# Altium PCB PCB-MB202-00.PcbDoc (part 2 of 7)
Units mm, origin at the board's own origin, x right, y up, seen from the top; angles counter-clockwise.
Board outline 300.6 x 146 mm, 2 copper layers (Top Layer, Bottom Layer); 493 components, 371 nets, 1609 pads, 6249 vias.
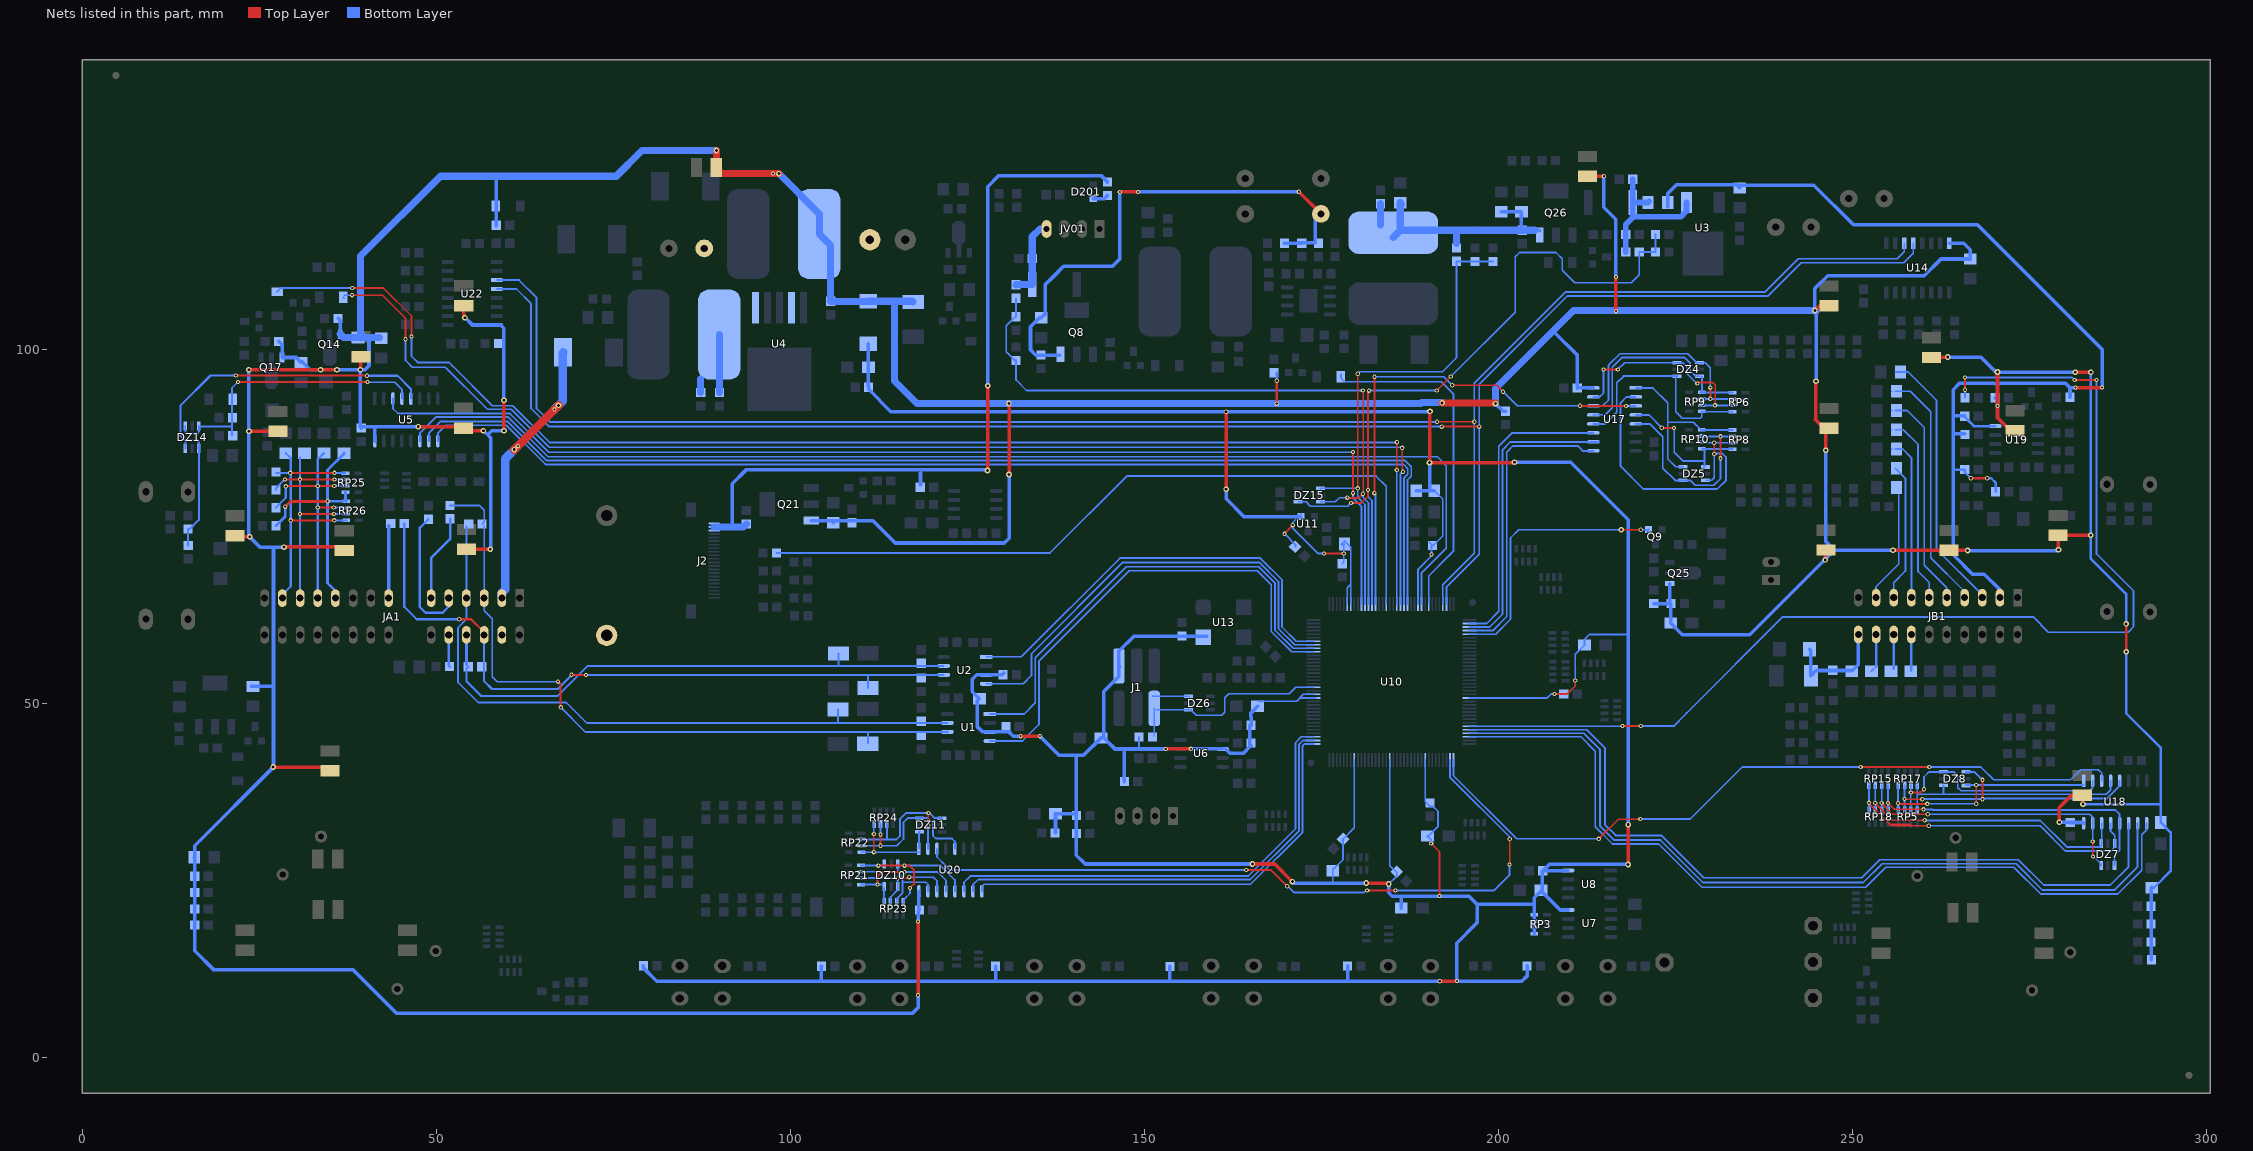
[diagram p2: the nets of this part, all layers, seen from the top]

## Via types
v1: diameter 0.6, hole 0.3, Top Layer to Bottom Layer, 5795 vias
v2: diameter 0.8, hole 0.4, Top Layer to Bottom Layer, 342 vias
v3: diameter 0.6, hole 0.4, Top Layer to Bottom Layer, 92 vias
v4: diameter 0.6, hole 0.3, Top Layer to Bottom Layer, tented both sides, 20 vias

## Nets (pads, with @x,y where several pads share a name; then routed paths per layer and width w, separated by ;. In a path a pad name is that pad's centre, name@x,y a point inside that pad or via, vN(x,y) a via of type N, cw(c..) or ccw(c..) an arc to the next point about the centre after c; other vN are vias at no path point) (continued)
+5V: C16.2 C69.2 C70.2 C71.2 C72.2 C94.2 C109.2 CE1.1 CE2.1 CE4.1 CE5.1 CP7.1 CP10.1 CP26.1 D6.1 D43.2 DL1.1 DL2.1 DL3.1 DL4.1 DL5.1 DL6.1 DL7.1 DL16.1 DL17.1 DL18.1 DL19.1 DL20.1 DL21.1 DL22.1 DL23.1 DL24.1 DL25.1 DL26.1 L2.2 L3.1 Q14.3 Q17.3 Q21.3 Q25.3 R18.2 R49.1 R57.1 R69.2 R81.1 R86.1 R93.2 R115.1 R130.1 R132.1 R133.1 R134.1 RL1.1 RL2.1 RL3.1 RL4.1 RL5.1 RL6.1 RL7.1 RL8.1 U4.4 U5.16 U14.16 U17.16 U18.16 U20.16 U22.16 | length 1006.7
  Top Layer w0.35: v1(168.72,92.397) v1@168.72,95.656 ; v2@288.659,57.353 288.684,57.379 v2(288.684,61.29) v2@288.684,61.316
  Top Layer w0.5: DL23.1@21.578,74.01 22.003,73.584 v2@23.703,73.584 ; v2(23.559,97.18) v2(33.693,97.18) v2(36.005,97.18) ; v2(23.584,88.494) 23.61,88.494 23.616,88.488 DL20.1@27.648,88.488 ; v2(26.988,41.072) 34.5,41.072 DL24.1@35.04,40.532 ; v2(28.512,72.136) 28.486,72.161 36.608,72.161 DL22.1@37.021,71.749 ; v2@39.332,97.257 DL21.1@39.332,99.003 ; v2(47.486,89.154) 53.906,89.154 54.515,88.544 v2@56.68,88.544 ; DL17.1@53.912,106.242 53.912,104.673 v2(54.064,104.521) ; DL18.1@54.369,71.825 v2(57.652,71.825) ; v2(59.586,88.57) v2(59.586,92.873) ; v1@118.072,8.814 v1(118.072,19.253) ; v2(130.899,92.431) 130.925,92.456 v2(130.925,82.398) ; DL26.1@212.3,124.841 DL26.1@212.636,124.505 214.916,124.505 v1(214.922,124.511) ; v1(216.624,110.287) 216.624,105.486 v1(216.65,105.461) ; v2(244.733,105.546) 245.403,106.217 DL16.1@246.698,106.217 ; v2@244.882,95.529 244.882,90.183 244.818,90.119 246.018,88.919 DL7.1@246.749,88.919 ; v2(246.19,70.333) 246.19,71.571 DL6.1@246.342,71.724 ; v2(246.266,85.827) 246.266,88.437 DL7.1@246.749,88.919 ; DL7.1@246.489,88.996 DL7.1@246.672,88.996 ; DL7.1@246.901,88.767 DL7.1@246.749,88.919 ; v2(255.766,71.704) 266.256,71.704 v2(266.307,71.653) ; DL4.1@261.074,98.927 DL4.1@261.106,98.958 ; DL4.1@261.227,98.958 v2@263.487,98.958 ; v2@270.523,96.799 v1(270.523,92.05) 270.523,90.424 272.358,88.589 DL3.1@273.012,88.589 ; DL2.1@279.057,73.806 v2(283.68,73.806) ; v2(279.134,71.755) DL2.1@279.134,73.883 ; v2(279.261,33.274) 279.261,35.357 280.982,37.078 DL1.1@282.486,37.078 282.588,36.976 v2(282.588,35.839) ; v2@281.547,96.825 v2(283.706,96.825)
  Top Layer w1: v2@89.579,128.118 DL25.1@89.579,125.73 90.392,124.917 v2@98.413,124.917 ; v2(192.088,92.507) v2@199.632,92.507
  Bottom Layer w0.35: v1(168.72,95.631) R130.1@168.72,96.749 ; v2@282.563,35.839 v2(282.588,35.839) 293.586,35.839 ; v2@283.852,96.774 283.68,96.602 v2(283.68,73.806) 283.68,70.536 288.684,65.532 v2(288.684,61.29) v2@288.684,61.265 ; v2@288.659,57.353 288.684,57.328 288.684,48.666 293.586,43.764 293.586,35.839 ; CE5.1@292.316,24.028 292.621,24.028 294.983,26.391 294.983,31.852 CP26.1@293.586,33.249 293.586,35.839
  Bottom Layer w0.5: CE2.1@15.863,28.346 CE2.1@15.919,28.29 ; v2(23.559,97.18) 23.559,73.711 25.134,72.136 27.242,72.136 ; R18.2@23.895,52.502 26.988,52.502 ; R57.1@27.775,101.194 28.253,100.716 Q17.3@28.253,98.915 30.231,98.915 R132.1@30.841,98.306 ; v2(28.512,72.136) 27.064,72.136 27.039,72.111 27.039,41.072 15.919,29.952 CE2.1@15.919,28.29 ; R132.1@30.925,98.222 R132.1@30.841,98.306 ; v2(33.693,97.18) 32.246,97.18 31.12,98.306 R132.1@30.841,98.306 ; v2(36.005,97.18) v2(39.307,97.18) ; R81.1@36.157,104.445 36.465,104.137 Q14.3@36.465,102.21 36.465,102.029 36.767,101.727 36.947,101.727 ; C69.2@39.434,88.946 39.307,89.073 v2(39.307,97.18) ; C69.2@39.485,89.159 39.49,89.154 41.39,89.154 ; 41.009,101.727 40.526,101.244 40.526,97.739 39.967,97.18 v2(39.307,97.18) ; U5.16@41.364,87.116 41.364,89.129 41.39,89.154 ; v2(47.486,89.154) 41.39,89.154 ; v2(54.064,104.521) 54.115,104.521 55.131,103.505 U22.16@58.581,103.505 59.119,103.505 59.576,103.048 59.576,93.548 59.576,92.862 v2(59.586,92.873) ; v2@56.68,88.595 57.29,87.986 ; v2(57.652,71.825) 57.747,71.921 57.747,87.528 57.29,87.986 ; R69.2@58.489,117.5 58.489,124.506 ; v2(59.586,88.57) 57.874,88.57 57.29,87.986 ; 75.019,6.274 74.232,6.274 ; Q21.3@102.985,75.893 R133.1@106.086,75.893 ; R133.1@106.109,75.59 106.388,75.87 111.697,75.87 114.846,72.72 130.264,72.72 130.925,73.381 v2(130.925,82.398) ; v1(118.072,19.253) 118.072,20.721 C72.2@118.255,20.904 118.199,20.96 U20.16@118.199,23.54 ; v1@118.098,8.865 118.098,7.112 117.259,6.274 74.232,6.274 ; v2(199.632,92.405) 200.698,91.338 R49.1@201.054,91.338 ; 207.594,102.502 207.925,102.502 211.158,99.268 C70.2@211.158,94.59 211.185,94.616 U17.16@213.445,94.616 ; v1(214.922,124.511) 214.922,120.142 216.624,118.44 216.624,112.268 ; v1(216.624,110.287) 216.624,112.268 ; 216.624,111.76 216.624,112.268 ; R115.1@221.984,64.16 C94.2@224.376,64.16 ; C94.2@224.219,64.369 Q25.3@224.219,66.98 ; C94.2@224.402,64.186 224.371,64.155 CP10.1@224.371,61.417 226.022,59.766 235.547,59.766 247.485,71.704 ; v2(244.733,105.546) 244.733,108.652 246.545,110.465 260.185,110.465 262.547,112.827 CE1.1@266.688,112.827 ; v2(244.894,95.555) v2@244.894,105.385 ; v2(246.266,85.827) 246.291,85.801 246.291,72.898 247.485,71.704 ; v2(255.766,71.704) 247.485,71.704 ; v2(263.487,98.984) 268.161,98.984 270.32,96.825 v2(281.496,96.825) v2@281.547,96.825 ; U14.16@263.69,115.057 265.753,115.057 266.688,114.122 CE1.1@266.688,112.827 ; v2(266.307,71.653) 279.032,71.653 v2(279.134,71.755) ; CE1.1@266.688,112.725 CE1.1@266.688,112.827 ; R93.2@270.172,93.243 270.523,92.893 v1(270.523,92.05) ; v2(279.261,33.274) 280.754,33.274 C71.2@280.785,33.244 282.59,33.244 U18.16@282.689,33.144 ; RL1.1@292.265,13.868 292.265,21.405 292.265,24.028 CE5.1@292.316,24.079 ; CE2.1@15.919,28.29 15.919,27.254 RL7.1@15.919,25.662 RL8.1@15.919,23.342 RL5.1@15.919,21.042 RL6.1@15.919,18.752 15.919,15.133 18.631,12.421 38.313,12.421 44.46,6.274 74.232,6.274
  Bottom Layer w1: Q14.3@36.465,102.21 36.947,101.727 39.18,101.727 41.009,101.727 CE4.1@41.999,101.727 ; R86.1@39.332,101.702 39.332,113.233 50.61,124.511 75.451,124.511 79.083,128.143 v2(89.579,128.143) ; v1@97.625,124.917 98.387,124.917 v2(98.413,124.892) 104.12,119.184 L2.2@104.12,116.357 105.728,114.75 C16.2@105.728,106.853 111.029,106.853 L3.1@111.036,106.861 114.719,106.861 ; D6.1@117.382,106.738 117.259,106.861 114.719,106.861 ; v2@192.139,92.532 189.201,92.532 189.065,92.397 168.161,92.397 117.928,92.397 114.719,95.606 114.719,106.861 ; v2(199.632,92.405) 199.632,94.539 206.883,101.79 ; 206.528,101.435 206.883,101.79 ; v2@244.894,105.385 v2(244.733,105.546) 210.639,105.546 207.594,102.502 206.883,101.79
  other v1: 118.072,8.839 97.6,124.917
  other v2: 288.709,57.353 23.686,73.609 56.68,88.57 270.523,96.876
+5V-VT: J2.20 J2.21 J2.22 L21.2 L201.1 L205.1 | length 108.4
  Top Layer w0.5: v2@127.902,82.982 v2(127.902,94.92)
  Bottom Layer w0.5: 91.809,74.983 91.809,81.077 93.764,83.033 127.699,83.033 v2@127.826,82.906 ; L205.1@118.413,80.975 118.413,82.586 ; v2(127.902,94.92) 127.902,123.038 129.477,124.612 143.904,124.612 L201.1@144.818,123.698
  Bottom Layer w1: J2.21@89.264,74.983 91.809,74.983 ; 92.878,74.983 91.809,74.983 ; L21.2@93.815,75.392 93.406,74.983 91.809,74.983
  other v2: 127.885,82.965
+5VM: C10.1 C12.1 C15.1 C17.1 C21.2 C25.1 C36.1 C37.1 C39.2 C56.1 C57.1 C62.1 C80.1 CP2.1 CP3.1 CP4.1 CP6.1 CP11.1 CP12.1 CP16.1 CP17.1 CP18.1 CP22.1 CP23.1 CP24.1 CP25.1 J1.4 L3.2 L5.2 R11.1 R15.1 R23.2 R31.2 R33.2 R42.2 R43.2 R56.1 R58.1 R73.2 R142.2 RP3.5 RP3.6 RP3.7 RP3.8 U1.3 U2.3 U6.2 U7.8 U8.8 U10.9 U10.19 U10.29 U10.50 U10.51 U10.78 U10.79 U10.98 U10.131 U11.1 U13.4 | length 720.8
  Top Layer w0.25: v1@169.837,74.092 v1(170.98,75.235) ; v1(175.4,71.247) v1@178.194,71.247 ; v1(190.538,30.277) 191.707,29.108 v1(191.707,22.847) ; v4@190.547,71.053 v4(190.587,71.093) ; v1(207.963,51.41) 209.766,51.41 210.884,52.527 v1(210.884,53.289)
  Top Layer w0.5: v1(132.525,45.441) v1(135.293,45.441) ; v1(153.048,43.612) 153.08,43.643 v4(156.597,43.643) ; v2(161.582,80.315) v3(161.582,91.262) ; v2(165.291,27.381) 168.44,27.381 v2(170.93,24.892) ; v2(181.369,24.689) 184.417,24.689 v2(184.544,24.562) ; v2@190.335,84.074 v2@202.299,84.074 ; v2@190.361,84.099 v2@190.361,91.262 ; v1(191.758,10.82) 194.145,10.82 v1(194.171,10.846) ; v2@218.377,27.381 v2(218.377,32.944)
  Bottom Layer w0.25: 149.217,43.653 149.267,43.703 R58.1@149.267,45.313 ; CP12.1@166.277,50.343 166.287,50.353 171.517,50.353 171.537,50.373 ; v1(169.837,74.016) 171.364,72.489 R142.2@171.364,72.21 ; 171.527,50.383 172.487,51.343 U10.51@173.937,51.343 ; U11.1@171.819,76.454 170.98,75.616 v1(170.98,75.235) 170.98,74.778 174.511,71.247 v1(175.4,71.247) ; U11.1@171.984,76.619 U11.1@172.2,76.835 ; 172.007,50.843 U10.50@173.937,50.843 U10.50@174.297,50.843 ; 176.645,24.765 176.645,26.543 178.09,27.988 C21.2@178.09,30.884 ; C21.2@177.937,30.731 C21.2@178.09,30.884 ; C36.1@177.965,69.799 178.194,70.028 v1(178.194,71.222) 178.194,72.492 CP16.1@178.296,72.593 ; C21.2@178.09,30.909 C21.2@178.09,30.884 ; 178.194,71.603 178.194,72.339 178.016,72.517 177.838,72.517 178.321,73 179.187,72.134 179.187,66.904 ; 178.687,65.128 U10.78@178.687,64.093 178.687,66.404 179.187,66.904 ; U10.79@179.187,65.034 U10.79@179.187,64.093 179.187,66.904 ; U10.29@179.687,42.093 179.687,32.481 C21.2@178.09,30.884 ; v2(184.544,24.562) 185.662,25.679 185.662,26.187 184.687,27.162 U10.19@184.687,42.093 ; U10.98@188.687,64.093 188.687,68.993 190.587,70.893 v4(190.587,71.093) 190.587,72.513 C12.1@190.307,72.793 ; CP3.1@188.837,80.133 CP25.1@190.974,80.133 ; 189.687,37.377 189.687,37.846 ; U10.9@189.687,42.093 189.687,37.846 ; CP17.1@190.03,31.191 190.03,31.242 191.511,32.722 191.511,34.798 190.774,35.535 190.361,35.535 189.687,36.208 189.687,37.846 ; CP17.1@190.03,31.344 190.564,30.81 190.564,30.251 v1(190.538,30.277) ; C12.1@190.727,72.363 190.842,72.363 192.18,73.701 192.18,78.927 CP25.1@191.008,80.099 ; U10.131@195.937,50.843 206.914,50.843 207.455,51.384 C56.1@209.258,51.384 ; v1(210.884,53.289) 210.884,56.998 CP22.1@212.205,58.318 212.205,59.131 212.865,59.792 218.377,59.792
  Bottom Layer w0.5: R11.1@79.286,13.005 79.286,12.7 81.166,10.82 129.02,10.82 ; 104.382,10.922 R15.1@104.382,12.929 ; R15.1@104.382,12.954 R15.1@104.382,12.929 ; R15.1@104.432,12.929 R15.1@104.382,12.929 ; L3.2@111.036,100.861 111.036,94.767 C15.1@111.087,94.717 111.087,94.412 114.237,91.262 v3(161.582,91.262) v2@190.31,91.262 ; R56.1@129.02,12.954 129.02,10.82 ; C62.1@130.193,54.356 129.935,54.098 U2.3@127.689,54.098 126.349,54.098 125.743,53.492 125.743,51.689 CP18.1@126.734,50.698 126.403,50.368 126.403,46.812 127.185,46.031 U1.3@128.211,46.031 130.918,46.031 131.509,45.441 v1(132.525,45.441) ; v1(135.293,45.441) 137.96,42.774 140.45,42.774 ; C10.1@137.478,31.826 CP24.1@137.478,34.493 L5.2@140.201,34.493 ; CP23.1@143.904,45.187 141.491,42.774 140.45,42.774 ; J1.4@146.517,55.273 146.497,55.253 J1.4@146.437,55.253 ; R23.2@147.211,39.014 147.211,43.593 ; v1(153.048,43.612) 153.036,43.623 145.877,43.623 144.31,45.19 144.31,51.74 146.437,53.866 J1.4@146.437,55.253 ; 153.637,10.942 R73.2@153.637,12.903 ; v4@156.609,43.631 U6.2@161.097,43.631 ; U13.4@158.817,59.573 C57.1@155.359,59.573 148.588,59.573 146.437,57.422 J1.4@146.437,55.353 J1.4@146.437,55.253 ; 159.449,10.82 158.788,10.82 ; U6.2@161.529,43.631 162.117,43.043 164.037,43.043 R33.2@164.934,43.94 ; v2(161.582,80.315) 161.582,78.943 164.072,76.454 171.819,76.454 U11.1@172.149,76.454 ; C25.1@164.934,46.963 R33.2@164.934,43.94 ; C25.1@165.087,46.963 C25.1@165.087,46.983 ; C25.1@165.097,46.983 165.097,48.173 165.087,48.183 165.087,48.713 CP12.1@166.017,49.643 ; R33.2@165.108,44.115 R33.2@164.934,43.94 ; v2(165.291,27.381) 141.669,27.381 140.424,28.626 140.424,34.493 140.424,42.748 140.45,42.774 ; v2(170.93,24.892) 170.904,24.892 171.107,24.689 v2(181.369,24.689) ; 178.732,10.851 R42.2@178.732,12.979 ; v2(184.544,24.562) 184.544,23.33 185.027,22.847 195.885,22.847 197.015,21.717 ; CP11.1@186.297,21.158 186.297,22.797 ; CP3.1@188.417,80.103 188.409,80.112 190.97,80.112 CP25.1@190.996,80.086 ; CP25.1@190.361,80.32 v2@190.361,84.074 ; v1(191.758,10.82) 158.788,10.82 ; v2(202.299,84.125) 210.249,84.125 218.377,75.997 218.377,59.792 v2@218.377,33.045 ; R31.2@204.082,12.979 204.082,11.562 203.34,10.82 194.298,10.82 194.145,10.973 194.145,16.205 197.015,19.075 197.015,21.717 ; RP3.5@205.102,17.525 RP3.6@205.102,18.425 RP3.7@205.102,19.325 RP3.8@205.102,20.225 205.102,21.717 ; C80.1@206.292,26.435 C80.1@206.312,26.435 ; U8.8@209.842,26.435 207.902,26.435 C80.1@206.312,26.435 ; U7.8@209.912,20.885 208.762,20.885 CP6.1@206.072,23.575 ; v2@218.377,27.28 v2(218.351,27.305) 218.285,27.371 207.248,27.371 C80.1@206.312,26.435 ; 129.02,10.82 158.788,10.82 ; 197.015,21.717 205.102,21.717 ; 205.102,21.717 205.102,22.605 CP6.1@206.072,23.575 ; CP6.1@206.072,23.575 206.242,23.745 206.242,26.365 C80.1@206.292,26.415 C80.1@206.312,26.435
  other v2: 190.31,84.074 190.361,91.313
+5VV: D201.2 L201.2 | length 2.2
  Bottom Layer w0.5: D201.2@142.812,121.361 144.382,121.361 L201.2@144.818,121.798
+12V: C32.2 C51.2 C84.2 CP303.1 L302.2 Q8.3 Q26.3 R62.1 R102.2 R160.2 R163.2 R169.1 R171.2 R176.2 R194.1 TP62.1 | length 110.8
  Top Layer w0.5: v1(146.571,122.276) 146.596,122.301 v1(149.117,122.301) ; v1(171.847,122.323) CP303.1@174.968,119.202
  Bottom Layer w0.5: 137.452,110.617 137.262,110.426 ; Q8.3@138.054,99.258 R171.2@135.42,99.258 134.714,99.258 133.947,100.025 133.947,103.251 135.217,104.521 R169.1@135.471,104.521 136.005,105.054 136.005,109.169 137.262,110.426 ; v1(146.571,122.276) 146.571,112.827 145.53,111.785 138.621,111.785 137.262,110.426 ; v1(149.117,122.301) 149.14,122.323 v1(171.847,122.323) ; C51.2@169.812,115.057 172.245,115.057 R194.1@172.25,115.062 ; R194.1@171.775,115.144 174.161,115.144 174.181,115.164 174.181,118.466 CP303.1@174.968,119.253 ; 193.688,116.886 194.12,116.886 ; R176.2@200.419,119.501 203.268,119.501 203.268,117.008 R102.2@203.391,116.886 ; Q26.3@205.809,116.886 Q26.3@205.884,116.811
  Bottom Layer w1: L302.2@183.376,117.645 C84.2@183.376,120.63 ; L302.2@185.179,115.842 L302.2@186.17,116.832 ; C32.2@186.341,120.599 C32.2@186.17,120.771 L302.2@186.17,116.832 ; R160.2@194.12,115.006 194.12,116.784 ; 205.226,116.886 R102.2@203.391,116.886 201.283,116.886 TP62.1@197.015,116.886 193.688,116.886 186.223,116.886 L302.2@186.17,116.832
+12V-1: C23.1 JV01.4 R25.2 R27.2 | length 12.4
  Bottom Layer w1: R27.2@131.89,109.19 131.92,109.22 R25.2@134.201,109.22 134.201,116.002 135.272,117.072 JV01.4@136.224,117.072 135.399,117.072
+12V-2: C87.2 JB1.3 R98.1 R99.2 R107.1 R137.1 R177.2 R178.2 U19.8 | length 154.1
  Top Layer w0.35: v1(266.738,81.864) v1(269.075,81.864)
  Top Layer w0.5: v1@281.674,94.666 284.747,94.666 v1(285.28,94.666)
  Bottom Layer w0.35: 264.275,83.085 R99.2@265.899,83.085 265.899,82.703 v1(266.738,81.864) ; C87.2@265.931,90.729 265.931,90.495 267.069,89.357 ; C87.2@266.383,90.043 267.069,89.357 ; v1(269.075,81.864) 269.634,81.864 270.244,81.255 R137.1@270.244,79.959 ; 269.279,89.235 U19.8@270.209,89.235 ; U19.8@270.179,89.205 U19.8@270.209,89.235 ; R98.1@280.759,93.315 R98.1@280.759,93.624 ; 267.069,89.357 267.191,89.235 U19.8@270.209,89.235
  Bottom Layer w0.5: R177.2@223.971,120.212 R177.2@223.971,120.802 223.971,122.078 225.184,123.292 233.699,123.292 R178.2@234.125,122.866 ; R178.2@233.724,123.266 244.59,123.266 250.191,117.665 267.692,117.665 285.318,100.038 285.318,94.704 v1(285.28,94.666) ; C87.2@265.905,90.678 264.275,90.678 264.249,90.703 ; R107.1@265.919,88.145 264.249,88.145 ; JB1.3@270.868,64.999 270.868,66.102 268.643,68.326 266.992,68.326 264.249,71.069 264.249,88.145 ; R98.1@280.759,93.315 280.759,94.666 ; v1(281.521,94.666) 280.759,94.666 ; 264.249,88.145 264.249,90.703 ; 264.249,90.703 264.249,94.386 265.113,95.25 270.114,95.25 270.125,95.239 270.87,95.239 270.881,95.25 280.175,95.25 280.759,94.666
+12V-V: C54.1 C99.2 R22.2 R104.2 R177.1 U3.1 | length 22.3
  Bottom Layer w0.8: R104.2@218.029,113.805 C54.1@218.029,116.283 218.029,117.711 219.012,118.694 219.012,118.796 ; C99.2@219.007,124.104 219.012,124.099 R22.2@219.012,120.802 ; R177.1@221.349,120.98 R177.1@221.171,120.802 R22.2@219.012,120.802 ; U3.1@226.606,120.802 226.606,119.583 225.819,118.796 219.012,118.796 ; 219.012,118.796 R22.2@219.012,120.802
+B: D7.1 D10.1 JA1.3 JA1.4 | length 39.7
  Top Layer w1.2: v2(61.049,85.903) v2(67.298,92.151)
  Bottom Layer w1.2: JA1.3@59.286,64.937 59.286,65.674 59.761,66.149 59.761,84.614 v1@61.43,86.284 ; v1@66.675,91.529 67.907,92.761 67.907,99.619 D7.1@67.933,99.644
  other v1: 61.543,86.397 66.713,91.592
+B1: C13.2 C105.2 CP5.1 L1.2 U4.1 | length 10.1
  Bottom Layer w1: C13.2@87.364,93.975 87.364,95.885 ; L1.2@89.998,102.159 90.031,102.126 C105.2@90.031,93.975
AD1: DZ4.6 RP6.8 RP9.5 U17.13 | length 30.5
  Bottom Layer w0.25: U17.13@213.445,90.806 U17.13@213.485,90.806 ; U17.13@213.485,90.846 215.142,90.846 216.125,91.83 216.125,97.545 217.513,98.933 226.276,98.933 227.132,98.077 227.132,97.011 227.879,96.264 DZ4.6@228.441,96.264 ; RP9.5@228.507,93.996 RP9.5@228.765,93.996 228.805,94.037 228.805,96.2 DZ4.6@228.765,96.241 ; RP9.5@228.685,93.916 228.705,93.916 228.745,93.956 RP6.8@233.115,93.956 ; RP9.5@229.065,94.046 RP9.5@229.125,93.986
AD2: DZ4.4 RP6.7 RP9.6 U17.14 | length 32.2
  Top Layer w0.25: v4(229.969,93.086) v4(229.969,94.656)
  Bottom Layer w0.25: U17.14@213.445,92.076 214.771,92.076 215.585,92.89 215.585,97.826 215.645,97.886 ; 215.628,97.869 217.2,99.441 226.779,99.441 228.031,98.189 DZ4.4@228.441,98.189 229.268,98.189 229.959,97.497 v4@229.959,94.656 ; RP9.6@228.625,93.176 228.645,93.196 228.785,93.056 230.645,93.056 ; 230.655,93.056 RP6.7@233.115,93.056
AD3: DZ4.3 RP6.6 RP9.7 U17.15 | length 30.5
  Top Layer w0.25: v1(214.872,97.231) v1(216.904,97.231) ; v1(228.13,95.25) 228.257,95.377 230.315,95.377 230.644,95.048 230.644,92.257 v4@230.543,92.156
  Bottom Layer w0.25: U17.15@213.447,93.345 U17.15@213.445,93.346 214.34,93.346 214.872,93.878 v1(214.872,97.231) ; v1(216.904,97.231) 217.861,98.189 DZ4.3@225.291,98.189 226.081,98.189 226.632,97.638 226.632,96.658 228.04,95.25 v1(228.13,95.25) ; RP9.7@228.625,92.226 RP9.7@228.695,92.156 ; RP9.7@228.765,92.156 230.543,92.156 231.745,92.156 ; 231.765,92.156 RP6.6@233.115,92.156
  other v4: 230.645,92.156
AD4: DZ4.1 RP6.5 RP9.8 U17.12 | length 31.4
  Bottom Layer w0.25: U17.12@213.445,89.536 215.127,89.536 216.751,91.161 216.751,95.326 217.714,96.289 DZ4.1@225.108,96.289 ; DZ4.1@225.291,96.289 225.308,96.289 DZ4.1@225.325,96.306 ; DZ4.1@225.291,96.306 DZ4.1@225.309,96.306 ; DZ4.1@225.335,96.296 DZ4.1@225.325,96.306 ; RP9.8@228.685,91.276 228.705,91.256 228.705,91.236 228.725,91.256 RP9.8@228.765,91.256 ; RP6.5@233.115,91.256 RP9.8@228.765,91.256 ; DZ4.1@225.309,96.306 DZ4.1@225.325,96.306 ; DZ4.1@225.309,96.306 225.082,96.08 225.082,91.262 225.998,90.346 228.535,90.346 228.765,90.576 RP9.8@228.765,91.256
AD5: DZ5.6 RP8.8 RP10.5 U17.1 | length 25.6
  Bottom Layer w0.25: U17.1@219.445,94.616 221.855,94.616 223.965,92.507 223.965,89.756 ; DZ5.6@226.099,83.479 225.068,83.479 223.965,84.582 223.965,89.756 ; RP10.5@228.825,88.628 RP10.5@228.875,88.678 ; RP8.8@233.115,88.678 228.657,88.678 227.579,89.756 223.965,89.756
AD6: DZ5.4 RP8.7 RP10.6 U17.5 | length 28.9
  Top Layer w0.25: v4(231.385,87.778) 231.385,84.688 v4(231.395,84.678)
  Bottom Layer w0.25: U17.5@219.445,89.516 221.475,89.516 223.254,87.738 223.254,83.287 224.986,81.554 DZ5.4@225.955,81.554 ; DZ5.4@226.099,81.554 227.145,81.554 227.826,80.874 230.467,80.874 231.395,81.802 v4@231.395,84.709 ; RP10.6@228.625,87.858 228.705,87.778 v4(231.385,87.778) RP8.7@233.115,87.778
AD7: DZ5.3 RP8.6 RP10.7 U17.2 | length 44.5
  Top Layer w0.25: v4@230.518,85.248 v4(230.518,86.878)
  Bottom Layer w0.25: U17.2@219.445,93.346 218.124,93.346 217.285,92.507 217.285,83.566 220.51,80.34 230.95,80.34 232.194,81.585 232.194,84.833 231.675,85.353 230.53,85.353 v4@230.525,85.348 ; RP10.7@228.545,87.078 228.745,86.878 v4@230.415,86.878 ; DZ5.3@229.375,81.576 230.185,81.576 230.525,81.916 v4(230.525,85.293) v4@230.525,85.348 ; v4@230.415,86.878 v4(230.518,86.878) RP8.6@233.115,86.878 ; v4@230.425,85.248 v4@230.525,85.348 ; v4@230.525,85.376 v4@230.525,85.348